# Altium PCB SunS_fixture_EGSE.PcbDoc (part 2 of 2)
Units mm, origin at the board's own origin, x right, y up, seen from the top; angles counter-clockwise.
Board outline 100.04 x 100.03 mm, 2 copper layers (Component Side, Bottom Layer), stack 1.57 mm thick; 120 components, 154 nets, 571 pads, 310 vias.
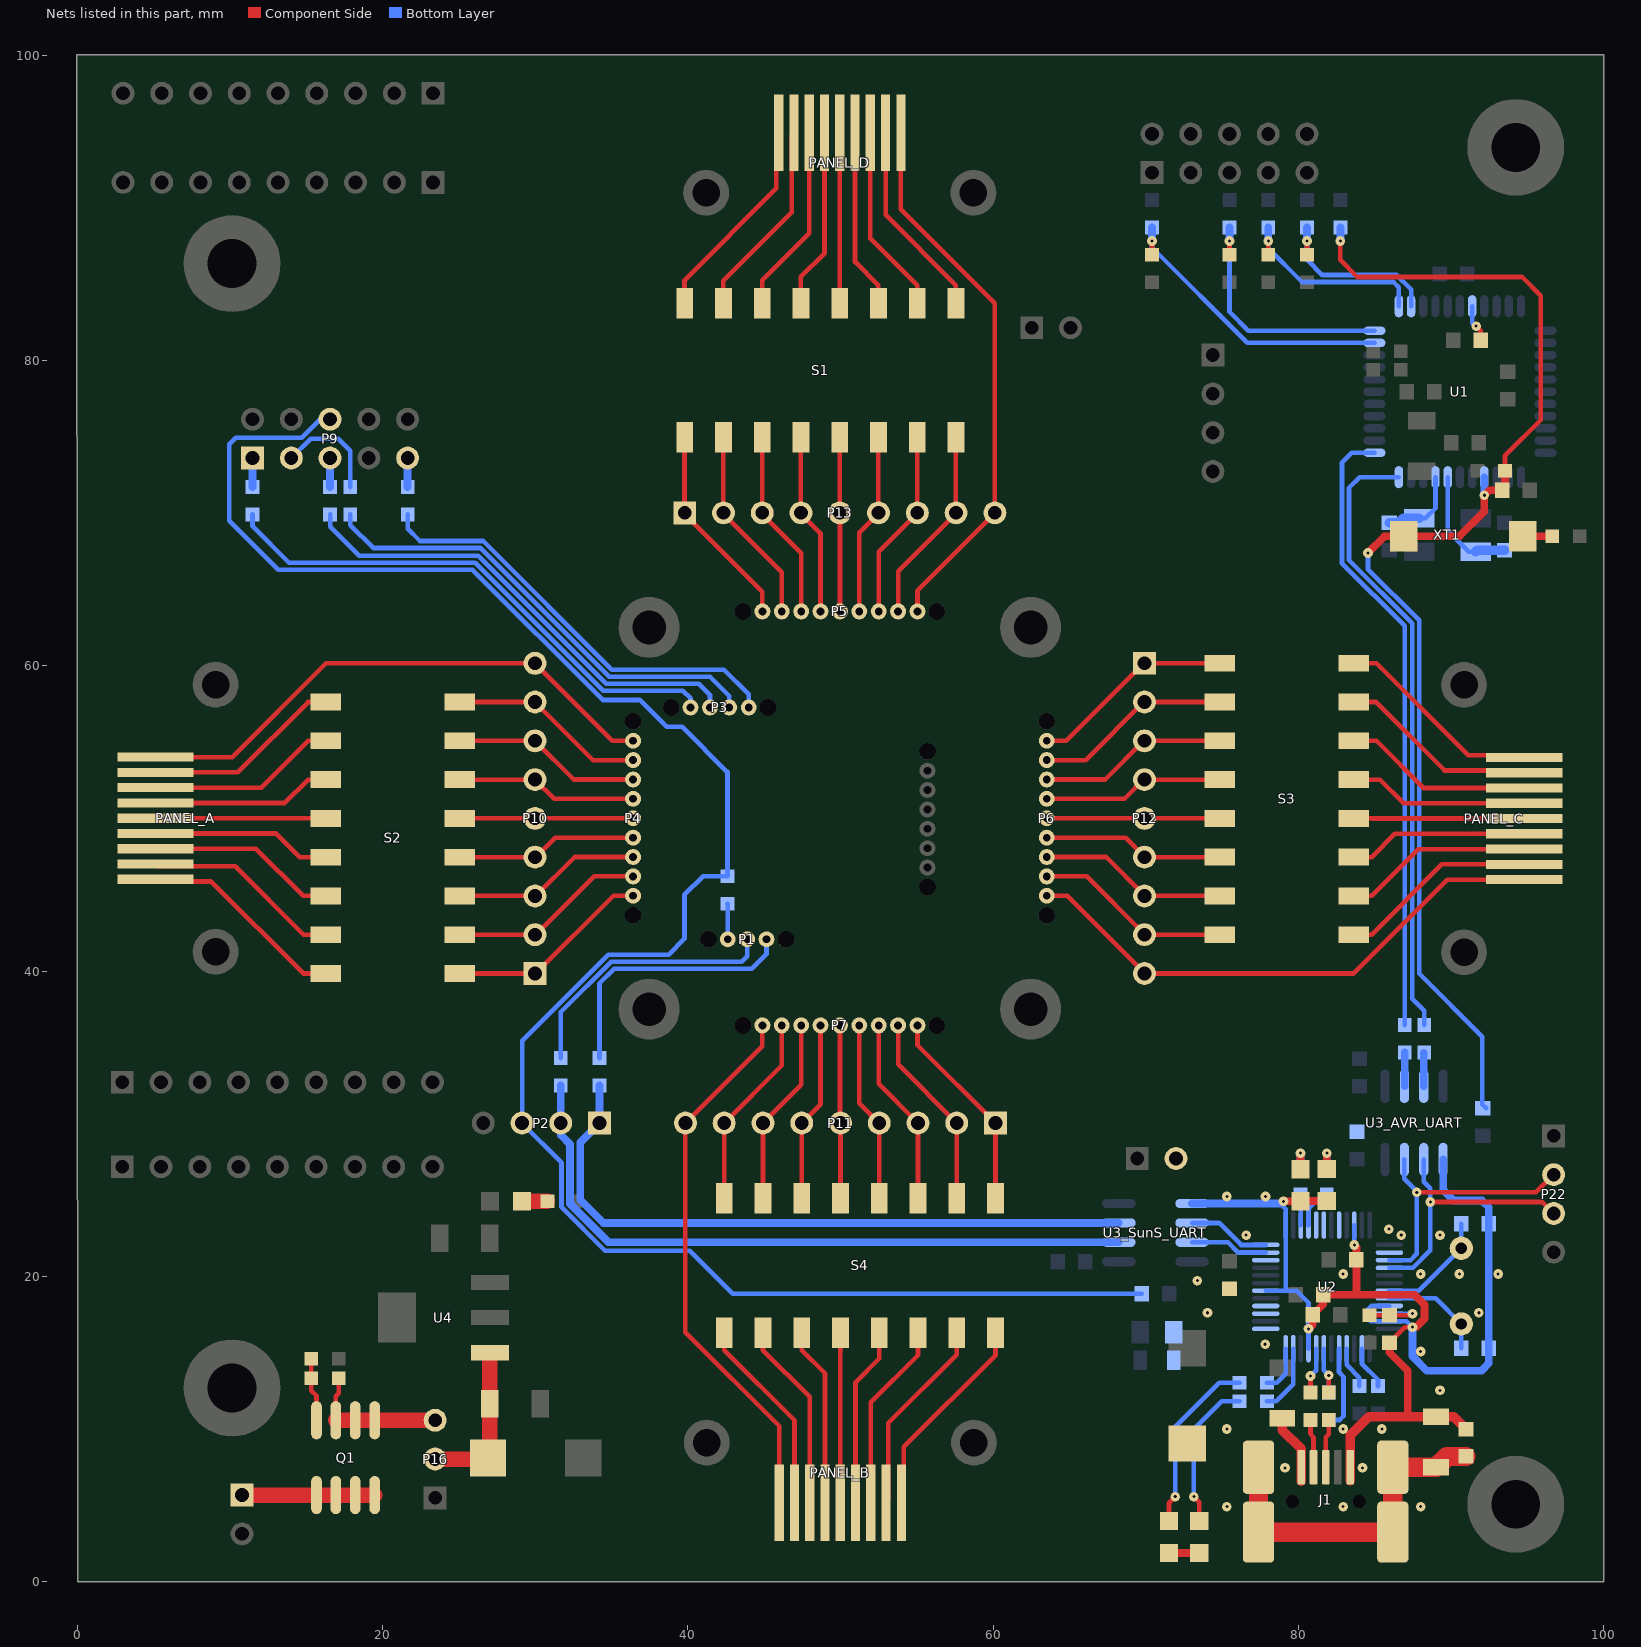
[diagram p2: the nets of this part, all layers, seen from the top]

## Via types
v1: diameter 0.635, hole 0.2, Component Side to Bottom Layer, 255 vias
v2: diameter 0.635, hole 0.2, Component Side to Bottom Layer, tented both sides, 55 vias

## Nets (pads, with @x,y where several pads share a name; then routed paths per layer and width w, separated by ;. In a path a pad name is that pad's centre, name@x,y a point inside that pad or via, vN(x,y) a via of type N, cw(c..) or ccw(c..) an arc to the next point about the centre after c; other vN are vias at no path point) (continued)
GND-USB: C4.2 C5.2 C6.2 C7.2 C12.2 C17.2 C18.2 C20.2 C23_AVR_UART.2 C23_SunS_UART.2 CONN_C4.2 CONN_R4.2 D1.2 D2.2 D3.2 D4.2 FB2.2 J1.5 P17.2 U2.9 U2.18 U2.25 U2.34 U2.45 U2.47 U3_AVR_UART.5 U3_SunS_UART.5 | length 86.1
  Component Side w0.305: C4.2@85.965,15.654 86.973,16.662 v2(87.478,16.662)
  Component Side w0.508: D1.2@71.526,1.871 D2.2@73.508,1.871 ; v2(79.019,24.909) D4.2@80.137,24.909 80.162,24.934 D3.2@81.864,24.934 ; v2(80.665,16.554) 80.939,16.828 C18.2@80.939,17.475 81.621,18.158 C17.2@81.621,18.796 83.806,18.796 ; v2(83.665,22.047) 83.806,21.907 C7.2@83.806,21.082 83.806,18.796 ; C4.2@85.965,15.654 85.965,15.025 87.173,13.818 87.173,10.846 87.121,10.794 ; v2(87.478,16.662) 87.706,16.662 88.265,17.221 88.265,18.136 87.605,18.796 83.806,18.796
  Component Side w0.635: J1.5@83.391,6.604 J1.5@83.391,7.488 83.391,9.579 84.606,10.794 87.121,10.794 FB2.2@89.027,10.794 90.182,10.794 C12.2@90.983,9.993
  Bottom Layer w0.305: U2.18@77.865,19.054 79.165,19.054 ; v2(79.019,24.909) 79.019,24.555 79.165,24.409 U2.25@79.165,23.354 79.165,19.054 ; U2.9@80.665,15.254 v2(80.665,16.554) 80.665,18.268 79.879,19.054 79.165,19.054 ; v2(83.665,22.047) U2.34@83.665,23.354 ; U2.45@85.965,18.054 84.78,18.054 84.582,17.856 84.582,17.221 84.749,17.054 U2.47@85.965,17.054 87.086,17.054 v2(87.478,16.662)
  Bottom Layer w0.508: U3_SunS_UART.5@73.037,24.765 78.876,24.765 v2(79.019,24.909) ; v2(87.478,16.662) 87.478,14.757 88.417,13.818 91.999,13.818 92.478,14.297 C6.2@92.478,15.291 92.467,15.302 C5.2@92.467,23.444 92.467,24.525 92.024,24.968 90.17,24.968 89.484,25.654 U3_AVR_UART.5@89.484,27.648
  other v1: 75.31,4.91 82.93,4.91 88.01,4.91 79.12,7.45 84.2,7.45 75.31,9.99 82.93,9.99 85.47,9.99 89.28,12.53 88.01,15.07 74.04,17.61 91.82,17.61 82.93,20.15 88.01,20.15 90.55,20.15 93.09,20.15 76.58,22.69 86.74,22.69 89.28,22.69 75.31,25.23 77.85,25.23
  other v2: 77.826,15.545 73.381,19.71 85.928,23.089
NetC1_1: C1.1 U1.7 XT1.1 | length 7.8
  Bottom Layer w0.305: U1.7@89.784,72.353 89.784,68.858 91.171,67.471 XT1.1@91.617,67.471
  Bottom Layer w0.635: XT1.1@91.617,67.471 91.704,67.558 C1.1@93.5,67.558
NetC2_1: C2.1 U1.8 XT1.3 | length 5.5
  Bottom Layer w0.305: XT1.3@87.917,69.671 88.327,69.671 88.984,70.329 U1.8@88.984,72.353
  Bottom Layer w0.635: C2.1@85.957,69.358 86.566,69.358 86.879,69.671 XT1.3@87.917,69.671
NetC3_1: C3.1 U1.29 | length 2.4
  Component Side w0.305: v2(91.646,82.25) 91.937,81.96 C3.1@91.937,81.322
  Bottom Layer w0.305: U1.29@91.384,83.553 91.384,82.433 v2@91.567,82.25
NetC4_1: C4.1 R37.1 U2.46 | length 4.4
  Component Side w0.305: R37.1@84.665,17.454 C4.1@85.965,17.454 87.38,17.454 v2(87.478,17.551)
  Bottom Layer w0.305: U2.46@85.965,17.554 v2@87.478,17.554
NetC5_1: C5.1 U2.43 XT2.2 | length 7.5
  Bottom Layer w0.305: U2.43@85.965,19.054 87.897,19.054 XT2.2@90.678,21.835 C5.1@90.678,23.433
NetC6_1: C6.1 U2.44 XT2.1 | length 7
  Bottom Layer w0.305: U2.44@85.965,18.554 88.999,18.554 XT2.1@90.678,16.875 C6.1@90.678,15.291
NetC9_1: C9.1 C13.1 P16.2 U4.1 | length 10.5
  Component Side w1.016: P16.2@23.444,8.025 26.847,8.025 C13.1@26.911,8.089 27.035,8.213 C9.1@27.035,11.645 U4.1@27.035,14.997
NetC12_1: C12.1 FB2.1 J1.MH1 J1.MH2 J1.MH3 J1.MH4 | length 22.4
  Component Side w1.27: J1.MH3@77.391,7.488 J1.MH4@77.391,3.238 J1.MH1@86.191,3.238 J1.MH2@86.191,7.488 89.021,7.488 FB2.1@89.027,7.494 89.726,8.193 C12.1@90.983,8.193
NetD1_1: D1.1 R5.2 | length 11.7
  Component Side w0.305: D1.1@71.526,3.971 71.526,5.156 v2(71.933,5.563)
  Bottom Layer w0.305: v2(71.933,5.563) 71.933,10.135 74.828,13.03 R5.2@76.138,13.03
NetD2_1: D2.1 R6.2 | length 10
  Component Side w0.305: v2(73.152,5.563) 73.508,5.207 73.508,4.123 D2.1@73.66,3.971
  Bottom Layer w0.305: v2(73.152,5.563) 73.152,9.982 74.981,11.811 R6.2@76.138,11.811
NetD3_1: D3.1 R7.2 | length 1.9
  Component Side w0.508: D3.1@81.864,27.034 v2(81.864,28.067)
  Bottom Layer w0.508: R7.2@81.864,27.164 v2(81.864,28.067)
NetD4_1: D4.1 R8.2 | length 2
  Component Side w0.508: D4.1@80.137,27.009 v2(80.137,28.067)
  Bottom Layer w0.508: R8.2@80.137,27.164 80.137,28.042 v2@80.162,28.067
NetD5_2: D5.2 R42.2 | length 1.7
  Component Side w1.016: D5.2@29.135,24.917 R42.2@30.799,24.917
NetFB1_2: FB1.2 J1.1 | length 4.6
  Component Side w0.635: FB1.2@78.943,10.694 78.943,9.931 80.191,8.684 J1.1@80.191,6.579
NetP1_1: P1.1 R27.2 | length 17.6
  Bottom Layer w0.305: R27.2@34.214,34.301 34.214,39.206 35.165,40.157 44.196,40.157 45.156,41.117 P1.1@45.156,42.076
NetP1_2: P1.2 R29.2 | length 17.8
  Bottom Layer w0.305: R29.2@31.674,34.301 31.674,37.313 34.976,40.615 43.53,40.615 43.886,40.971 P1.2@43.886,42.076
NetP1_3: P1.3 R31.2 | length 2.4
  Component Side w0.305: P1.3@42.596,42.096 P1.3@42.616,42.076
  Bottom Layer w0.305: R31.2@42.596,44.414 42.616,44.393 P1.3@42.616,42.076
NetP3_1: P3.1 R21.2 | length 34.7
  Bottom Layer w0.305: R21.2@11.481,69.915 11.481,69.139 13.868,66.751 26.076,66.751 34.458,58.369 39.675,58.369 40.178,57.866 P3.1@40.178,57.265
NetP3_2: P3.2 R19.2 | length 31.1
  Bottom Layer w0.305: R19.2@16.561,69.915 16.561,69.113 18.466,67.208 26.266,67.208 34.648,58.826 40.716,58.826 41.448,58.095 P3.2@41.448,57.265
NetP3_3: P3.3 R17.2 | length 30.9
  Bottom Layer w0.305: R17.2@17.882,69.915 17.882,69.215 19.38,67.716 26.404,67.716 34.837,59.284 41.453,59.284 42.718,58.019 P3.3@42.718,57.265
NetP3_4: P3.4 R16.2 | length 28.6
  Bottom Layer w0.305: R16.2@21.641,69.915 21.641,68.986 22.454,68.174 26.594,68.174 35.027,59.741 42.367,59.741 43.988,58.12 P3.4@43.988,57.265
NetP4_1: P4.1 P10.1 S2.1 | length 13.4
  Component Side w0.305: S2.1@25.07,39.84 P10.1@29.992,39.84 ; P10.1@30.013,39.812 30.017,39.815 35.129,44.928 P4.1@36.414,44.928
NetP4_2: P4.2 P10.2 S2.3 | length 12.9
  Component Side w0.305: S2.3@25.07,42.38 26.223,42.38 P10.2@29.992,42.38 ; P10.2@30.013,42.352 33.859,46.198 P4.2@36.414,46.198
NetP4_3: P4.3 P10.3 S2.5 | length 12.4
  Component Side w0.305: S2.5@25.07,44.92 26.223,44.92 P10.3@29.992,44.92 ; P10.3@30.013,44.892 32.589,47.468 P4.3@36.414,47.468
NetP4_4: P4.4 P10.4 S2.7 | length 11.9
  Component Side w0.305: S2.7@25.07,47.46 26.223,47.46 P10.4@29.992,47.46 ; P10.4@30.013,47.432 31.319,48.738 P4.4@36.414,48.738
NetP4_5: P4.5 P10.5 S2.9 | length 11.3
  Component Side w0.305: S2.9@25.07,50 P10.5@29.992,50 ; P10.5@30.013,49.972 30.049,50.008 P4.5@36.414,50.008
NetP4_6: P4.6 P10.6 S2.11 | length 11.8
  Component Side w0.305: S2.11@25.07,52.54 P10.6@29.992,52.54 ; P10.6@30.013,52.512 31.247,51.278 P4.6@36.414,51.278
NetP4_7: P4.7 P10.7 S2.13 | length 12.4
  Component Side w0.305: S2.13@25.07,55.08 P10.7@29.992,55.08 ; P10.7@30.013,55.052 32.517,52.548 P4.7@36.414,52.548
NetP4_8: P4.8 P10.8 S2.15 | length 12.9
  Component Side w0.305: S2.15@25.07,57.62 P10.8@29.992,57.62 ; P10.8@30.013,57.592 33.787,53.818 P4.8@36.414,53.818
NetP4_9: P4.9 P10.9 PANEL_A.9 | length 35.9
  Component Side w0.305: PANEL_A.9@5.124,54.012 10.146,54.012 16.294,60.16 P10.9@29.992,60.16 ; P10.9@30.013,60.132 35.057,55.088 P4.9@36.414,55.088
NetP5_1: P5.1 P13.1 S1.1 | length 13.4
  Component Side w0.305: P13.1@39.756,70.032 P13.1@39.759,70.029 ; P13.1@39.768,69.959 44.884,64.843 P5.1@44.884,63.558 ; P13.1@39.783,70.053 S1.1@39.783,74.975
NetP5_2: P5.2 P13.2 S1.3 | length 12.9
  Component Side w0.305: P13.2@42.308,69.959 46.154,66.113 P5.2@46.154,63.558 ; P13.2@42.323,70.053 42.323,73.823 S1.3@42.323,74.975
NetP5_3: P5.3 P13.3 S1.5 | length 12.4
  Component Side w0.305: P13.3@44.848,69.959 47.424,67.383 P5.3@47.424,63.558 ; P13.3@44.863,70.053 44.863,73.823 S1.5@44.863,74.975
NetP5_4: P5.4 P13.4 S1.7 | length 11.9
  Component Side w0.305: P13.4@47.388,69.959 48.694,68.653 P5.4@48.694,63.558 ; P13.4@47.403,70.053 47.403,73.823 S1.7@47.403,74.975
NetP5_5: P5.5 P13.5 S1.9 | length 11.4
  Component Side w0.305: P13.5@49.916,70.032 P13.5@49.952,69.996 ; P13.5@49.928,69.959 49.964,69.923 P5.5@49.964,63.558 ; P13.5@49.943,70.053 S1.9@49.943,74.975
NetP5_6: P5.6 P13.6 S1.11 | length 11.8
  Component Side w0.305: P5.6@51.234,63.558 51.234,68.725 P13.6@52.468,69.959 ; P13.6@52.483,70.053 S1.11@52.483,74.975
NetP5_7: P5.7 P13.7 S1.13 | length 12.4
  Component Side w0.305: P5.7@52.504,63.558 52.504,67.455 P13.7@55.008,69.959 ; P13.7@55.023,70.053 S1.13@55.023,74.975
NetP5_8: P5.8 P13.8 S1.15 | length 12.9
  Component Side w0.305: P5.8@53.774,63.558 53.774,66.185 P13.8@57.548,69.959 ; P13.8@57.563,70.053 S1.15@57.563,74.975
NetP5_9: P5.9 P13.9 PANEL_D.9 | length 35.9
  Component Side w0.305: PANEL_D.9@53.956,94.922 53.956,89.899 60.103,83.751 P13.9@60.103,70.053 ; P5.9@55.044,63.558 55.044,64.915 P13.9@60.088,69.959
NetP6_1: P6.1 P12.1 S3.1 | length 13.4
  Component Side w0.305: P6.1@63.514,55.088 64.799,55.088 P12.1@69.915,60.204 ; P12.1@69.897,60.185 P12.1@69.9,60.188 ; P12.1@69.921,60.16 S3.1@74.843,60.16
NetP6_2: P6.2 P12.2 S3.3 | length 12.9
  Component Side w0.305: P6.2@63.514,53.818 66.069,53.818 P12.2@69.915,57.664 ; P12.2@69.921,57.62 73.69,57.62 S3.3@74.843,57.62
NetP6_3: P6.3 P12.3 S3.5 | length 12.4
  Component Side w0.305: P6.3@63.514,52.548 67.339,52.548 P12.3@69.915,55.124 ; P12.3@69.921,55.08 73.69,55.08 S3.5@74.843,55.08
NetP6_4: P6.4 P12.4 S3.7 | length 11.9
  Component Side w0.305: P6.4@63.514,51.278 68.609,51.278 P12.4@69.915,52.584 ; P12.4@69.921,52.54 73.69,52.54 S3.7@74.843,52.54
NetP6_5: P6.5 P12.5 S3.9 | length 11.4
  Component Side w0.305: P6.5@63.514,50.008 69.879,50.008 P12.5@69.915,50.044 ; P12.5@69.864,49.992 P12.5@69.9,50.028 ; P12.5@69.921,50 S3.9@74.843,50
NetP6_6: P6.6 P12.6 S3.11 | length 11.8
  Component Side w0.305: P6.6@63.514,48.738 68.681,48.738 P12.6@69.915,47.504 ; P12.6@69.921,47.46 S3.11@74.843,47.46
NetP6_7: P6.7 P12.7 S3.13 | length 12.4
  Component Side w0.305: P6.7@63.514,47.468 67.411,47.468 P12.7@69.915,44.964 ; P12.7@69.921,44.92 S3.13@74.843,44.92
NetP6_8: P6.8 P12.8 S3.15 | length 12.9
  Component Side w0.305: P6.8@63.514,46.198 66.141,46.198 P12.8@69.915,42.424 ; P12.8@69.921,42.38 S3.15@74.843,42.38
NetP6_9: P6.9 P12.9 PANEL_C.9 | length 35.9
  Component Side w0.305: P6.9@63.514,44.928 64.871,44.928 P12.9@69.915,39.884 ; P12.9@69.921,39.84 83.619,39.84 89.767,45.988 PANEL_C.9@94.789,45.988
NetP7_1: P7.1 P11.1 S4.1 | length 13.4
  Component Side w0.305: P7.1@55.044,36.437 55.044,35.152 P11.1@60.16,30.036 S4.1@60.16,25.115 ; P11.1@60.185,30.061 P11.1@60.188,30.057
NetP7_2: P7.2 P11.2 S4.3 | length 12.9
  Component Side w0.305: P7.2@53.774,36.437 53.774,33.882 P11.2@57.62,30.036 57.62,26.267 S4.3@57.62,25.115
NetP7_3: P7.3 P11.3 S4.5 | length 12.4
  Component Side w0.305: P7.3@52.504,36.437 52.504,32.612 P11.3@55.08,30.036 55.08,26.267 S4.5@55.08,25.115
NetP7_4: P7.4 P11.4 S4.7 | length 11.9
  Component Side w0.305: P7.4@51.234,36.437 51.234,31.342 P11.4@52.54,30.036 52.54,26.267 S4.7@52.54,25.115
NetP7_5: P7.5 P11.5 S4.9 | length 11.4
  Component Side w0.305: P7.5@49.964,36.437 49.964,30.072 P11.5@50,30.036 S4.9@50,25.115 ; P11.5@49.992,30.094 P11.5@50.028,30.057
NetP7_6: P7.6 P11.6 S4.11 | length 11.8
  Component Side w0.305: S4.11@47.46,25.115 P11.6@47.46,30.036 48.694,31.27 P7.6@48.694,36.437
NetP7_7: P7.7 P11.7 S4.13 | length 12.4
  Component Side w0.305: S4.13@44.92,25.115 P11.7@44.92,30.036 47.424,32.54 P7.7@47.424,36.437
NetP7_8: P7.8 P11.8 S4.15 | length 12.9
  Component Side w0.305: S4.15@42.38,25.115 P11.8@42.38,30.036 46.154,33.81 P7.8@46.154,36.437
NetP7_9: P7.9 P11.9 PANEL_B.9 | length 35.9
  Component Side w0.305: P7.9@44.884,36.437 44.884,35.08 P11.9@39.84,30.036 39.84,16.338 45.988,10.191 PANEL_B.9@45.988,5.168
NetP16_3: P16.3 Q1.1 Q1.2 Q1.3 R35.1 | length 9.3
  Component Side w0.305: Q1.3@16.942,10.565 16.942,12.141 17.131,12.33 R35.1@17.131,13.322
  Component Side w1.016: Q1.3@16.942,10.565 Q1.2@18.212,10.565 Q1.1@19.482,10.565 P16.3@23.444,10.565
NetP19_1: P19.1 Q1.5 Q1.6 Q1.7 Q1.8 | length 8.7
  Component Side w1.016: P19.1@10.795,5.664 10.796,5.665 Q1.5@15.672,5.665 Q1.6@16.942,5.665 Q1.7@18.212,5.665 Q1.8@19.482,5.665
NetPANEL_A_1: PANEL_A.1 S2.2 | length 13.7
  Component Side w0.305: PANEL_A.1@5.124,46.012 5.276,45.86 8.776,45.86 14.795,39.84 S2.2@16.27,39.84
NetPANEL_A_2: PANEL_A.2 S2.4 | length 13.1
  Component Side w0.305: PANEL_A.2@5.124,47.012 5.276,46.86 10.341,46.86 14.821,42.38 S2.4@16.27,42.38
NetPANEL_A_3: PANEL_A.3 S2.6 | length 12.4
  Component Side w0.305: PANEL_A.3@5.124,48.012 11.703,48.012 14.795,44.92 S2.6@16.27,44.92
NetPANEL_A_4: PANEL_A.4 S2.8 | length 11.8
  Component Side w0.305: PANEL_A.4@5.124,49.012 13.015,49.012 14.567,47.46 S2.8@16.27,47.46
NetPANEL_A_5: PANEL_A.5 S2.10 | length 11.2
  Component Side w0.305: PANEL_A.5@5.124,50.012 15.106,50.012 15.118,50 S2.10@16.27,50
NetPANEL_A_6: PANEL_A.6 S2.12 | length 11.8
  Component Side w0.305: PANEL_A.6@5.124,51.012 13.59,51.012 15.118,52.54 S2.12@16.27,52.54
NetPANEL_A_7: PANEL_A.7 S2.14 | length 12.4
  Component Side w0.305: PANEL_A.7@5.124,52.012 12.05,52.012 15.118,55.08 S2.14@16.27,55.08
NetPANEL_A_8: PANEL_A.8 S2.16 | length 13.1
  Component Side w0.305: PANEL_A.8@5.124,53.012 10.51,53.012 15.118,57.62 S2.16@16.27,57.62
NetPANEL_B_1: PANEL_B.1 S4.2 | length 13.7
  Component Side w0.305: PANEL_B.1@53.988,5.168 54.14,5.32 54.14,8.82 60.16,14.84 S4.2@60.16,16.315
NetPANEL_B_2: PANEL_B.2 S4.4 | length 13.1
  Component Side w0.305: PANEL_B.2@52.988,5.168 53.14,5.32 53.14,10.385 57.62,14.865 S4.4@57.62,16.315
NetPANEL_B_3: PANEL_B.3 S4.6 | length 12.4
  Component Side w0.305: PANEL_B.3@51.988,5.168 51.988,11.747 55.08,14.84 S4.6@55.08,16.315
NetPANEL_B_4: PANEL_B.4 S4.8 | length 11.8
  Component Side w0.305: PANEL_B.4@50.988,5.168 50.988,13.059 52.54,14.611 S4.8@52.54,16.315
NetPANEL_B_5: PANEL_B.5 S4.10 | length 11.2
  Component Side w0.305: PANEL_B.5@49.988,5.168 49.988,15.15 50,15.162 S4.10@50,16.315
NetPANEL_B_6: PANEL_B.6 S4.12 | length 11.8
  Component Side w0.305: S4.12@47.46,16.315 47.46,15.162 48.988,13.634 PANEL_B.6@48.988,5.168
NetPANEL_B_7: PANEL_B.7 S4.14 | length 12.4
  Component Side w0.305: S4.14@44.92,16.315 44.92,15.162 47.988,12.094 PANEL_B.7@47.988,5.168
NetPANEL_B_8: PANEL_B.8 S4.16 | length 13.1
  Component Side w0.305: S4.16@42.38,16.315 42.38,15.162 46.988,10.554 PANEL_B.8@46.988,5.168
NetPANEL_C_1: PANEL_C.1 S3.2 | length 13.7
  Component Side w0.305: S3.2@83.643,60.16 85.118,60.16 91.138,54.14 94.637,54.14 PANEL_C.1@94.789,53.988
NetPANEL_C_2: PANEL_C.2 S3.4 | length 13.1
  Component Side w0.305: S3.4@83.643,57.62 85.092,57.62 89.572,53.14 94.637,53.14 PANEL_C.2@94.789,52.988
NetPANEL_C_3: PANEL_C.3 S3.6 | length 12.4
  Component Side w0.305: S3.6@83.643,55.08 85.118,55.08 88.21,51.988 PANEL_C.3@94.789,51.988
NetPANEL_C_4: PANEL_C.4 S3.8 | length 11.8
  Component Side w0.305: S3.8@83.643,52.54 85.346,52.54 86.899,50.988 PANEL_C.4@94.789,50.988
NetPANEL_C_5: PANEL_C.5 S3.10 | length 11.2
  Component Side w0.305: S3.10@83.643,50 84.795,50 84.807,49.988 PANEL_C.5@94.789,49.988
NetPANEL_C_6: PANEL_C.6 S3.12 | length 11.8
  Component Side w0.305: S3.12@83.643,47.46 84.795,47.46 86.323,48.988 PANEL_C.6@94.789,48.988
NetPANEL_C_7: PANEL_C.7 S3.14 | length 12.4
  Component Side w0.305: S3.14@83.643,44.92 84.795,44.92 87.863,47.988 PANEL_C.7@94.789,47.988
NetPANEL_C_8: PANEL_C.8 S3.16 | length 13.1
  Component Side w0.305: S3.16@83.643,42.38 84.795,42.38 89.403,46.988 PANEL_C.8@94.789,46.988
NetPANEL_D_1: PANEL_D.1 S1.2 | length 13.7
  Component Side w0.305: S1.2@39.783,83.775 39.783,85.25 45.803,91.27 45.803,94.769 PANEL_D.1@45.956,94.922
NetPANEL_D_2: PANEL_D.2 S1.4 | length 13.1
  Component Side w0.305: S1.4@42.323,83.775 42.323,85.225 46.803,89.704 46.803,94.769 PANEL_D.2@46.956,94.922
NetPANEL_D_3: PANEL_D.3 S1.6 | length 12.4
  Component Side w0.305: S1.6@44.863,83.775 44.863,85.25 47.956,88.342 PANEL_D.3@47.956,94.922
NetPANEL_D_4: PANEL_D.4 S1.8 | length 11.8
  Component Side w0.305: S1.8@47.403,83.775 47.403,85.479 48.956,87.031 PANEL_D.4@48.956,94.922
NetPANEL_D_5: PANEL_D.5 S1.10 | length 11.2
  Component Side w0.305: S1.10@49.943,83.775 49.943,84.927 49.956,84.94 PANEL_D.5@49.956,94.922
NetPANEL_D_6: PANEL_D.6 S1.12 | length 11.8
  Component Side w0.305: PANEL_D.6@50.956,94.922 50.956,86.455 52.483,84.927 S1.12@52.483,83.775
NetPANEL_D_7: PANEL_D.7 S1.14 | length 12.4
  Component Side w0.305: PANEL_D.7@51.956,94.922 51.956,87.995 55.023,84.927 S1.14@55.023,83.775
NetPANEL_D_8: PANEL_D.8 S1.16 | length 13.1
  Component Side w0.305: PANEL_D.8@52.956,94.922 52.956,89.535 57.563,84.927 S1.16@57.563,83.775
NetQ1_4: Q1.4 R35.2 R36.1 | length 4.2
  Component Side w0.305: R36.1@15.331,14.605 R35.2@15.331,13.322 15.331,12.508 15.672,12.167 Q1.4@15.672,10.565
NetR10_2: R10.2 U2.5 | length 5.6
  Bottom Layer w0.305: R10.2@81.991,10.581 82.691,10.581 82.956,10.846 82.956,13.411 82.665,13.703 U2.5@82.665,15.254
NetR23_1: R23.1 U3_AVR_UART.3 | length 2.2
  Bottom Layer w0.508: U3_AVR_UART.3@88.214,32.448 R23.1@88.214,34.635
NetR23_2: R23.2 U1.11 | length 40.8
  Bottom Layer w0.305: U1.11@86.584,72.353 84.011,72.353 83.318,71.659 83.318,66.912 87.452,62.777 87.452,38.176 88.24,37.389 R23.2@88.24,36.46
NetR25_1: R25.1 U3_AVR_UART.2 | length 2.2
  Bottom Layer w0.305: U3_AVR_UART.2@86.944,32.448 U3_AVR_UART.2@86.97,32.474
  Bottom Layer w0.508: U3_AVR_UART.2@86.97,32.474 R25.1@86.97,34.66
NetR25_2: R25.2 U1.12 | length 40.9
  Bottom Layer w0.305: U1.12@84.984,73.953 83.503,73.953 82.855,73.304 82.855,66.728 86.97,62.613 R25.2@86.97,36.46
NetR40_2: R40.2 U2.4 | length 2.8
  Bottom Layer w0.305: U2.4@83.165,15.254 83.165,14.193 83.998,13.36 R40.2@83.998,12.813
NetR41_2: R41.2 U2.2 | length 2.9
  Bottom Layer w0.305: U2.2@84.165,15.254 84.165,14.26 85.217,13.208 R41.2@85.217,12.813
NetR44_1: R44.1 S5.1 | length 1.9
  Component Side w0.508: S5.1@94.705,68.478 R44.1@96.636,68.478
R\E\S\E\T\: C8_AVR_UART.1 C11.1 R9.2 R43.2 S5.2 U1.4 | length 81.9
  Component Side w0.305: v2(82.753,87.833) 82.753,86.589 83.871,85.471 94.666,85.471 95.885,84.252 95.885,76.098 93.534,73.747 R43.2@93.534,72.771
  Component Side w0.508: v2(84.557,67.386) 85.649,68.478 S5.2@86.905,68.478 90.551,68.478 92.177,70.104 92.177,71.163 v2(92.184,71.171) 92.515,71.501 C11.1@93.359,71.501 93.534,71.675 R43.2@93.534,72.771
  Bottom Layer w0.305: v2(84.557,67.386) 84.557,66.319 87.909,62.967 87.909,39.839 92.05,35.699 92.05,31.253 C8_AVR_UART.1@92.304,30.999
  Bottom Layer w0.508: v2(82.753,87.833) R9.2@82.753,88.711 ; v2(92.184,71.171) U1.4@92.184,72.353
RI#0: U2.16
RI#1: U2.32
RTS#0: U2.22
RTS#1: U2.38
RXD0: U2.23 U3_SunS_UART.7 | length 5.1
  Bottom Layer w0.305: U3_SunS_UART.7@73.037,22.225 75.387,22.225 76.058,21.554 U2.23@77.865,21.554
RXD1: P22.2 U2.39 U3_AVR_UART.7 | length 17.9
  Component Side w0.305: v2(87.757,25.502) 95.566,25.502 P22.2@96.723,26.659
  Bottom Layer w0.305: U2.39@85.965,21.054 87.348,21.054 87.757,21.463 v2(87.757,25.502) 87.757,25.578 86.944,26.391 U3_AVR_UART.7@86.944,27.648
RXLED#0: R5.1 U2.12 | length 3.1
  Bottom Layer w0.305: R5.1@77.938,13.03 78.588,13.03 79.165,13.608 U2.12@79.165,15.254
RXLED#1: R7.1 U2.28 | length 2.7
  Bottom Layer w0.305: U2.28@80.665,23.354 80.665,24.417 81.612,25.364 R7.1@81.864,25.364
SLEEP#0: U2.13
SLEEP#1: U2.29
SUNS_MCU_RXD: P2.1 R27.1 U3_SunS_UART.3 | length 43.9
  Bottom Layer w0.508: R27.1@34.214,32.501 P2.1@34.214,30.036 32.944,28.766 32.944,25.019 34.468,23.495 U3_SunS_UART.3@68.237,23.495
SUNS_MCU_TXD: P2.2 R29.1 U3_SunS_UART.2 | length 45
  Bottom Layer w0.508: R29.1@31.674,32.501 P2.2@31.674,30.036 31.674,29.261 32.283,28.651 32.283,24.745 34.804,22.225 U3_SunS_UART.2@68.237,22.225
SUNS_NRST: C8_SunS_UART.1 P2.3 P9.6 R31.1 | length 130.5
  Bottom Layer w0.305: P9.6@16.561,76.149 15.914,76.149 14.695,74.93 10.389,74.93 9.957,74.498 9.957,69.494 13.157,66.294 25.887,66.294 34.421,57.76 36.855,57.76 38.62,55.995 39.636,55.995 42.596,53.035 R31.1@42.596,46.214 41.007,46.214 39.776,44.983 39.776,42.113 38.735,41.072 34.786,41.072 29.159,35.445 29.159,30.062 P2.3@29.134,30.036 31.725,27.446 31.725,24.514 34.572,21.666 40.132,21.666 42.951,18.847 C8_SunS_UART.1@69.737,18.847
SUNS_TCK: P9.1 R21.1 | length 1.9
  Bottom Layer w0.508: R21.1@11.481,71.715 P9.1@11.481,73.609
SUNS_TDI: P9.9 R16.1 | length 1.9
  Bottom Layer w0.508: R16.1@21.641,71.715 P9.9@21.641,73.609
SUNS_TDO: P9.3 R17.1 | length 7.1
  Bottom Layer w0.305: P9.3@14.021,73.609 15.291,74.879 17.094,74.879 17.882,74.092 R17.1@17.882,71.715
SUNS_TMS: P9.5 R19.1 | length 1.9
  Bottom Layer w0.508: R19.1@16.561,71.715 P9.5@16.561,73.609
TCK: R4.2 R24.2 U1.21 | length 19.4
  Component Side w0.305: R4.2@70.409,86.93 v2(70.409,87.833)
  Bottom Layer w0.305: v2(70.409,87.833) 70.409,87.401 76.658,81.153 U1.21@84.984,81.153
  Bottom Layer w0.508: v2(70.409,87.833) R24.2@70.409,88.711
TDI: R1.2 R30.2 U1.24 | length 11.7
  Component Side w0.305: R1.2@80.569,86.93 v2(80.569,87.833)
  Bottom Layer w0.305: v2(80.569,87.833) 80.569,86.589 81.559,85.598 86.436,85.598 87.384,84.65 U1.24@87.384,83.553
  Bottom Layer w0.508: v2(80.569,87.833) R30.2@80.569,88.711
TDO: R2.1 R28.2 U1.23 | length 13.1
  Component Side w0.305: R2.1@78.029,86.93 v2(78.029,87.833)
  Bottom Layer w0.305: v2(78.029,87.833) 78.029,87.351 80.239,85.141 86.233,85.141 86.584,84.789 U1.23@86.584,83.553
  Bottom Layer w0.508: v2(78.029,87.833) R28.2@78.029,88.711
TMS: R3.1 R26.2 U1.22 | length 16.4
  Component Side w0.305: R3.1@75.489,86.93 v2(75.489,87.833)
  Bottom Layer w0.305: v2(75.489,87.833) 75.489,83.185 76.721,81.953 U1.22@84.984,81.953
  Bottom Layer w0.508: v2(75.489,87.833) R26.2@75.489,88.711
TXD0: U2.24 U3_SunS_UART.6 | length 5.4
  Bottom Layer w0.305: U3_SunS_UART.6@73.037,23.495 74.803,23.495 76.244,22.054 U2.24@77.865,22.054
TXD1: P22.3 U2.40 U3_AVR_UART.6 | length 17.7
  Component Side w0.305: v2(88.646,24.867) 95.976,24.867 P22.3@96.723,24.119
  Bottom Layer w0.305: U2.40@85.965,20.554 87.508,20.554 88.646,21.692 v2(88.646,24.867) 88.646,25.756 88.214,26.187 U3_AVR_UART.6@88.214,27.648
TXDEN0: U2.15
TXDEN1: U2.30
TXLED#0: R6.1 U2.11 | length 4.5
  Bottom Layer w0.305: R6.1@77.938,11.811 78.537,11.811 79.665,12.939 U2.11@79.665,15.254
TXLED#1: R8.1 U2.27 | length 2
  Bottom Layer w0.305: U2.27@80.165,23.354 R8.1@80.165,25.336
USB2_N: R38.1 U2.8 | length 3.1
  Component Side w0.305: R38.1@80.797,12.381 v2(80.797,13.462) v2@80.797,13.513
  Bottom Layer w0.305: v2(80.797,13.462) 81.165,13.83 U2.8@81.165,15.254
USB2_P: R10.1 R39.1 U2.7 | length 4.1
  Component Side w0.305: R39.1@81.991,12.381 v2(81.991,13.513)
  Bottom Layer w0.305: U2.7@81.665,15.254 81.665,13.839 v2(81.991,13.513) R10.1@81.991,12.381
USB_N: J1.2 R38.2 | length 3.9
  Component Side w0.305: R38.2@80.797,10.581 80.797,9.72 80.813,9.704 80.813,9.636 80.991,9.458 J1.2@80.991,6.751
USB_P: J1.3 R39.2 | length 3.9
  Component Side w0.305: J1.3@81.798,6.751 81.798,9.458 81.991,9.652 R39.2@81.991,10.581
pads on no net: "PLD BUS.0" J1.4 J1.H1 J1.H2 P1.0 P3.0 P4.0 P5.0 P6.0 P7.0 P8.6 P8.7 P9.7 P9.8 U1.1 U1.2 U1.3 U1.9 U1.10 U1.13 U1.14 U1.15 U1.25 U1.26 U1.30 U1.31 U1.32 U1.33 U1.34 U1.35 U1.36 U1.37 U1.40 U1.41 U1.42 U1.43 U1.44 U2.1 U2.41 U2.48
copper on no net: | length 17.8
  Component Side w0.5: 75.895,30.556 75.895,31.826 ; 75.895,33.096 75.895,34.366 ; 76.53,29.921 77.8,29.921 ; 76.53,32.461 77.8,32.461 ; 76.53,35.001 77.8,35.001 ; 78.435,30.556 78.435,31.826 ; 78.435,33.096 78.435,34.366 ; 79.705,30.556 79.705,31.826 ; 79.705,33.096 79.705,34.366 ; 80.34,29.921 81.61,29.921 ; 80.34,32.461 81.61,32.461 ; 80.34,35.001 81.61,35.001 ; 82.245,30.556 82.245,31.826 ; 82.245,33.096 82.245,34.366

## Polygon pours and split planes (outlines as drawn)
GND-IS on Bottom Layer "GND-IS_L02_P006" (solid, remove dead copper, pour order 6): 0,100 0,0 100,0 100,100
GND-USB on Bottom Layer "GND-USB_L02_P000" (solid, remove dead copper, pour order 0): 91.961,0 70.815,0 70.815,30.124 94.462,30.124 94.463,15.748 91.961,13.246
GND-IS on Component Side "GND-IS_L01_P008" (solid, remove dead copper, pour order 8): 0,100 0,0 100,0 100,100
GND-USB on Component Side "GND-USB_L01_P002" (solid, remove dead copper, pour order 2): 91.961,0 70.815,0 70.815,28.956 94.463,28.956 94.463,15.748 91.961,13.246

## Other copper
Component Side:
  pour cut-out: 70.053,5.359 70.053,0.33 70.652,0.33 70.612,5.461
  pour cut-out: 67.64,34.366 67.64,31.191 75.26,31.191 75.26,29.286 82.88,29.286 82.88,35.636 75.26,35.636 75.26,34.366
  region: 17.879,85.211 18.997,85.566 18.082,89.884 19.606,85.719 20.673,85.973 21.029,84.855 25.448,85.719 20.571,84.195 20.317,85.261 18.539,84.855 18.946,83.128 20.165,83.382 21.181,78.454 19.759,82.671 18.59,82.417 18.285,83.534 13.866,82.671 18.133,84.093
  region: 21.486,81.35 21.486,83.534 22.349,83.534 22.654,83.382 22.857,83.128 22.908,82.874 22.908,82.62 22.857,82.417 22.756,82.213 22.451,82.01 21.943,81.959 21.943,82.417 22.248,82.417 22.349,82.467 22.502,82.62 22.451,82.874 22.349,83.026 21.943,83.026 21.943,81.35
  region: 23.162,83.534 24.026,81.35 24.534,82.721 25.143,81.35 25.905,83.534 25.448,83.534 25.143,82.518 24.737,83.534 24.381,83.534 24.026,82.569 23.619,83.534
  region: 26.972,82.518 26.413,82.975 25.956,82.518 26.439,82.01
  region: 27.887,82.213 27.734,82.213 27.429,82.417 27.226,82.721 27.277,83.128 27.633,83.483 28.141,83.534 28.547,83.331 28.699,83.128 28.699,82.874 28.293,82.874 28.141,83.026 27.785,83.026 27.734,82.772 28.09,82.671 28.395,82.569 28.75,82.366 28.75,81.807 28.547,81.502 28.141,81.35 27.709,81.401 27.328,81.553 27.175,81.959 27.683,82.01 27.734,81.858 28.191,81.858 28.344,81.959 28.242,82.112
  region: 29.055,81.35 29.804,83.509 30.63,81.35 30.223,81.35 29.817,82.315 29.411,81.35
  region: 31.443,81.35 31.9,81.35 31.9,83.026 32.509,83.077 32.459,83.534 30.884,83.534 30.884,83.077 31.443,83.026
  region: 33.576,82.061 32.967,81.502 32.713,81.147 32.713,80.842 34.186,80.842 34.186,81.248 33.424,81.299 34.186,82.061 34.186,82.671 33.83,82.975 33.221,82.975 32.814,82.62 32.763,82.264 33.221,82.264 33.322,82.569 33.525,82.62 33.729,82.518 33.729,82.264
  text "2017" at 30.72,78.088 h1.8
  text "S/N:" at 68.275,31.826 h2
Bottom Layer:
  region net +3.3V-IS: 67.39,25.676 66.501,25.676 66.443,25.676 66.904,26.137 66.904,26.162

## Silkscreen, mask and mechanical layers (free items; w line width, h text height)
Top Overlay:
  text "+3.3V" at 1.549,95.021 h0.76
  text "D" at 39.116,94.869 h1.78
  text "1" at 36.647,89.538 h1.78
  text "GND" at 1.651,89.078 h0.76
  text "AVR JTAG" at 65.278,87.757 h0.76
  text "10k" at 80.825,85.418 h0.5 r90
  text "10k" at 70.815,85.344 h0.5 r90
  text "10k" at 75.895,85.268 h0.5 r90
  text "10k" at 78.461,85.268 h0.5 r90
  text "GND JPR" at 60.985,83.845 h0.76
  text "100n" at 90.018,80.924 h0.5
  text "4k7" at 85.138,80.338 h0.5
  text "SunS JTAG" at 6.553,79.807 h0.76
  text "SDA" at 70.536,79.769 h0.76
  text "SH" at 61.697,79.324 h0.76
  text "IS" at 64.3,79.324 h0.76
  text "4k7" at 85.088,79.169 h0.5
  text "100n" at 87.221,77.696 h0.5
  text "100n" at 94.158,77.267 h0.5 r90
  text "SCL" at 70.536,77.229 h0.76
  text "IRQ" at 70.536,74.689 h0.76
  text "100n" at 89.916,74.219 h0.5
  text "1u" at 88.369,74.115 h0.5 r90
  text "10k" at 91.897,72.365 h0.5
  text "GND" at 70.536,72.149 h0.76
  text "SunS PLD" at 77.038,71.476 h0.76 r90
  text "100n" at 93.32,71.145 h0.5
  text "SW" at 90.272,68.097 h0.5
  text "100R" at 96.52,68.047 h0.5
  text "RESET" at 91.745,64.491 h0.76
  text "3V3" at 40.469,63.417 h0.76 r90
  text "GND" at 43.009,63.417 h0.76 r90
  text "SCL1" at 45.549,63.417 h0.76 r90
  text "SDA1" at 48.089,63.417 h0.76 r90
  text "SCL2" at 50.629,63.417 h0.76 r90
  text "SDA2" at 53.169,63.417 h0.76 r90
  text "SCL3" at 55.709,63.417 h0.76 r90
  text "SDA3" at 58.249,63.417 h0.76 r90
  text "RTD" at 60.789,63.417 h0.76 r90
  text "1" at 89.406,63.297 h1.78 r270
  text "C" at 94.615,60.655 h1.78 r270
  text "RTD" at 31.639,59.487 h0.76
  text "3V3" at 63.322,59.487 h0.76
  text "GND" at 63.322,56.947 h0.76
  text "SDA1" at 31.66,56.919 h0.76
  text "SCL1" at 63.322,54.407 h0.76
  text "SCL1" at 31.66,54.379 h0.76
  text "3V3" at 57.506,52.452 h0.76
  text "SDA2" at 31.639,51.867 h0.76
  text "SDA1" at 63.322,51.867 h0.76
  text "GND" at 57.506,51.182 h0.76
  text "SDA" at 57.506,49.912 h0.76
  text "SCL2" at 63.322,49.327 h0.76
  text "SCL2" at 31.66,49.299 h0.76
  text "SCL" at 57.506,48.642 h0.76
  text "GND" at 57.506,47.372 h0.76
  text "SDA2" at 63.322,46.787 h0.76
  text "SDA3" at 31.66,46.759 h0.76
  text "IRQ" at 57.506,46.102 h0.76
  text "SCL3" at 31.639,44.247 h0.76
  text "SCL3" at 63.322,44.247 h0.76
  text "SDA3" at 63.322,41.707 h0.76
  text "GND" at 31.66,41.679 h0.76
  text "A" at 4.724,39.929 h1.78 r90
  text "RTD" at 63.322,39.167 h0.76
  text "3V3" at 31.66,39.139 h0.76
  text "1" at 10.507,36.703 h1.78 r90
  text "GND" at 1.956,34.138 h0.76
  text "SDA1" at 43.037,31.755 h0.76 r90
  text "SCL1" at 45.577,31.755 h0.76 r90
  text "SCL2" at 50.657,31.755 h0.76 r90
  text "SDA3" at 53.197,31.755 h0.76 r90
  text "GND" at 58.277,31.755 h0.76 r90
  text "3V3" at 60.817,31.755 h0.76 r90
  text "RTD" at 40.469,31.734 h0.76 r90
  text "SDA2" at 48.089,31.734 h0.76 r90
  text "SCL3" at 55.709,31.734 h0.76 r90
  text "GND" at 27.267,31.648 h0.76 r90
  text "NRST" at 29.718,31.648 h0.76 r90
  text "TXD ->" at 32.347,31.648 h0.76 r90
  text "RXD <-" at 34.887,31.648 h0.76 r90
  text "GND JPR" at 67.945,29.413 h0.76
  text "+3.3V" at 1.778,28.727 h0.76
  text "SunS UART" at 25.273,27.381 h0.76
  text "LED" at 80.569,25.273 h0.5 r90
  text "LED" at 82.271,25.273 h0.5 r90
  text "470R" at 30.607,24.536 h0.5
  text "LED" at 27.153,24.511 h0.5
  text "IS GND" at 67.996,23.698 h0.76
  text "USB GND" at 71.145,23.647 h0.76
  text "10u" at 24.714,22.098 h0.5
  text "33n" at 82.118,20.701 h0.5
  text "100n" at 75.87,19.101 h0.5 r90
  text "SunS EM 4.04 / EGSE 1.01" at 0.991,18.821 h1.78
  text "6 MHz" at 89.052,18.745 h0.5
  text "100n" at 79.781,18.39 h0.5
  text "NRST" at 94.64,18.11 h0.76
  text "100n" at 80.924,17.069 h0.5
  text "RXD <-" at 94.64,16.789 h0.76
  text "100n" at 86.385,15.545 h0.5 r90
  text "TXD ->" at 94.64,15.291 h0.76
  text "MCP1826S-33" at 24.511,14.529 h0.5 r90
  text "1k" at 15.748,14.199 h0.5
  text "GND" at 94.64,13.792 h0.76
  text "3k3" at 15.519,12.954 h0.5
  text "EXT" at 22.174,12.088 h0.76
  text "FB" at 79.4,11.836 h0.5 r90
  text "1u" at 28.143,11.227 h0.5
  text "27R" at 81.331,10.744 h0.5 r90
  text "27R" at 82.372,10.693 h0.5 r90
  text "1" at 63.297,10.551 h1.78 r180
  text "FB" at 89.484,8.585 h0.5 r90
  text "100n" at 91.364,8.077 h0.5 r90
  text "10u/Tantalum" at 28.702,7.722 h0.5
  text "10u/Tantalum" at 73.152,7.544 h0.5 r90
  text "+" at 10.338,7.214 h0.76
  text "EXT SUPPLY" at 0.737,7.137 h0.76
  text "B" at 60.808,5.486 h1.78 r180
  text "Vcc" at 0.787,5.029 h0.76
  text "USB" at 80.848,4.674 h0.5
  text "USB" at 22.174,2.769 h0.76
  text "SUPPLY SELECT" at 25.959,2.591 h0.76
  text "GND" at 0.787,2.489 h0.76
  text "LED" at 73.939,2.159 h0.5 r90
  text "LED" at 71.857,2.134 h0.5 r90
  text "-" at 10.338,0.559 h0.76
Bottom Overlay:
  text "100R" at 75.895,90.678 h0.5 r90
  text "100R" at 78.435,90.678 h0.5 r90
  text "100R" at 70.841,90.653 h0.5 r90
  text "100R" at 80.975,90.653 h0.5 r90
  text "100R" at 83.16,90.653 h0.5 r90
  text "100n" at 91.338,85.293 h0.5
  text "100R" at 11.913,72.034 h0.5 r90
  text "100R" at 16.967,71.857 h0.5 r90
  text "100R" at 22.047,71.857 h0.5 r90
  text "100R" at 18.288,71.78 h0.5 r90
  text "10p" at 86.512,68.656 h0.5 r90
  text "10p" at 94.056,68.605 h0.5 r90
  text "8 MHz" at 91.211,68.301 h0.5
  text "100R" at 43.028,46.355 h0.5 r90
  text "100R" at 87.376,36.551 h0.5 r90
  text "100R" at 88.646,36.525 h0.5 r90
  text "100n" at 84.353,34.493 h0.5 r90
  text "100R" at 32.08,34.442 h0.5 r90
  text "100R" at 34.62,34.442 h0.5 r90
  text "100n" at 92.456,31.242 h0.5 r90
  text "100n" at 84.201,29.616 h0.5 r90
  text "ISO7221AD" at 89.738,27.889 h0.5
  text "220R" at 80.49,27.483 h0.5 r90
  text "220R" at 82.217,27.457 h0.5 r90
  text "ISO7221AD" at 72.822,25.044 h0.5 r90
  text "10p" at 91.135,22.936 h0.5
  text "100n" at 66.091,20.574 h0.5
  text "FT2232" at 83.566,19.05 h0.5
  text "100n" at 71.704,18.491 h0.5
  text "100n/100V" at 72.85,16.177 h0.5
  text "10p" at 91.161,14.808 h0.5
  text "10k" at 71.351,14.196 h0.5
  text "220R" at 78.08,12.624 h0.5
  text "10k" at 85.649,12.624 h0.5 r90
  text "1k5" at 82.398,12.421 h0.5 r90
  text "1k" at 84.404,12.395 h0.5 r90
  text "220R" at 78.08,11.405 h0.5
Top Solder:
  region: 75.387,35.509 75.387,29.413 82.753,29.413 82.753,35.509
  region: 67.894,34.239 67.894,31.445 75.387,31.445 75.387,34.239
  region: 30.214,79.756 34.694,79.756 34.694,77.56 30.214,77.56
Mechanical 1:
  lines w0.203: 35.214,41.008 ccw(c36.214,41.008) 36.214,40.008 37.464,40.008 cw(c37.464,37.508) 39.964,37.508 39.964,36.258 ccw(c40.964,36.258) 40.964,35.258 ; 35.214,59.008 cw(c36.214,59.008) 36.214,60.008 37.464,60.008 ccw(c37.464,62.508) 39.964,62.508 39.964,63.758 cw(c40.964,63.758) 40.964,64.758 ; 58.964,35.258 ccw(c58.964,36.258) 59.964,36.258 59.964,37.508 cw(c62.464,37.508) 62.464,40.008 63.714,40.008 ccw(c63.714,41.008) 64.714,41.008 ; 58.964,64.758 cw(c58.964,63.758) 59.964,63.758 59.964,62.508 ccw(c62.464,62.508) 62.464,60.008 63.714,60.008 cw(c63.714,59.008) 64.714,59.008 ; 35.214,36.258 ccw(c36.214,36.258) 36.214,35.258 ; 35.214,36.258 ccw(c36.214,36.258) 36.214,35.258 ; 35.214,36.258 ccw(c36.214,36.258) 36.214,35.258 ; 35.214,36.258 35.214,63.758 ; 35.214,63.758 cw(c36.214,63.758) 36.214,64.758 ; 35.214,63.758 cw(c36.214,63.758) 36.214,64.758 ; 35.214,63.758 cw(c36.214,63.758) 36.214,64.758 ; 36.214,35.258 63.714,35.258 ccw(c63.714,36.258) 64.714,36.258 64.714,63.758 ccw(c63.714,63.758) 63.714,64.758 36.214,64.758
Mechanical 2:
  lines w0.203: 0,0 0,100 100,100 100,0 0,0

## Text inside footprints (layer, text, board x,y; h text height)
P8: Top Overlay "2" at 63.805,94.336 h1.27; Top Overlay "1" at 64.313,91.796 h1.27; Top Overlay "9" at 86.157,91.796 h1.27; Top Overlay "10" at 86.157,94.336 h1.27
P9: Top Overlay "2" at 4.877,75.641 h1.27; Top Overlay "1" at 5.385,73.101 h1.27; Top Overlay "9" at 27.229,73.101 h1.27; Top Overlay "10" at 27.229,75.641 h1.27
PANEL_A: Top Overlay "1" at 9.188,44.031 h1.52 r90
PANEL_B: Top Overlay "1" at 55.969,9.232 h1.52 r180
PANEL_C: Top Overlay "1" at 90.726,55.969 h1.52 r270
PANEL_D: Top Overlay "1" at 43.975,90.858 h1.52